# Altium PCB BB.PcbDoc (part 1 of 9) (continued)
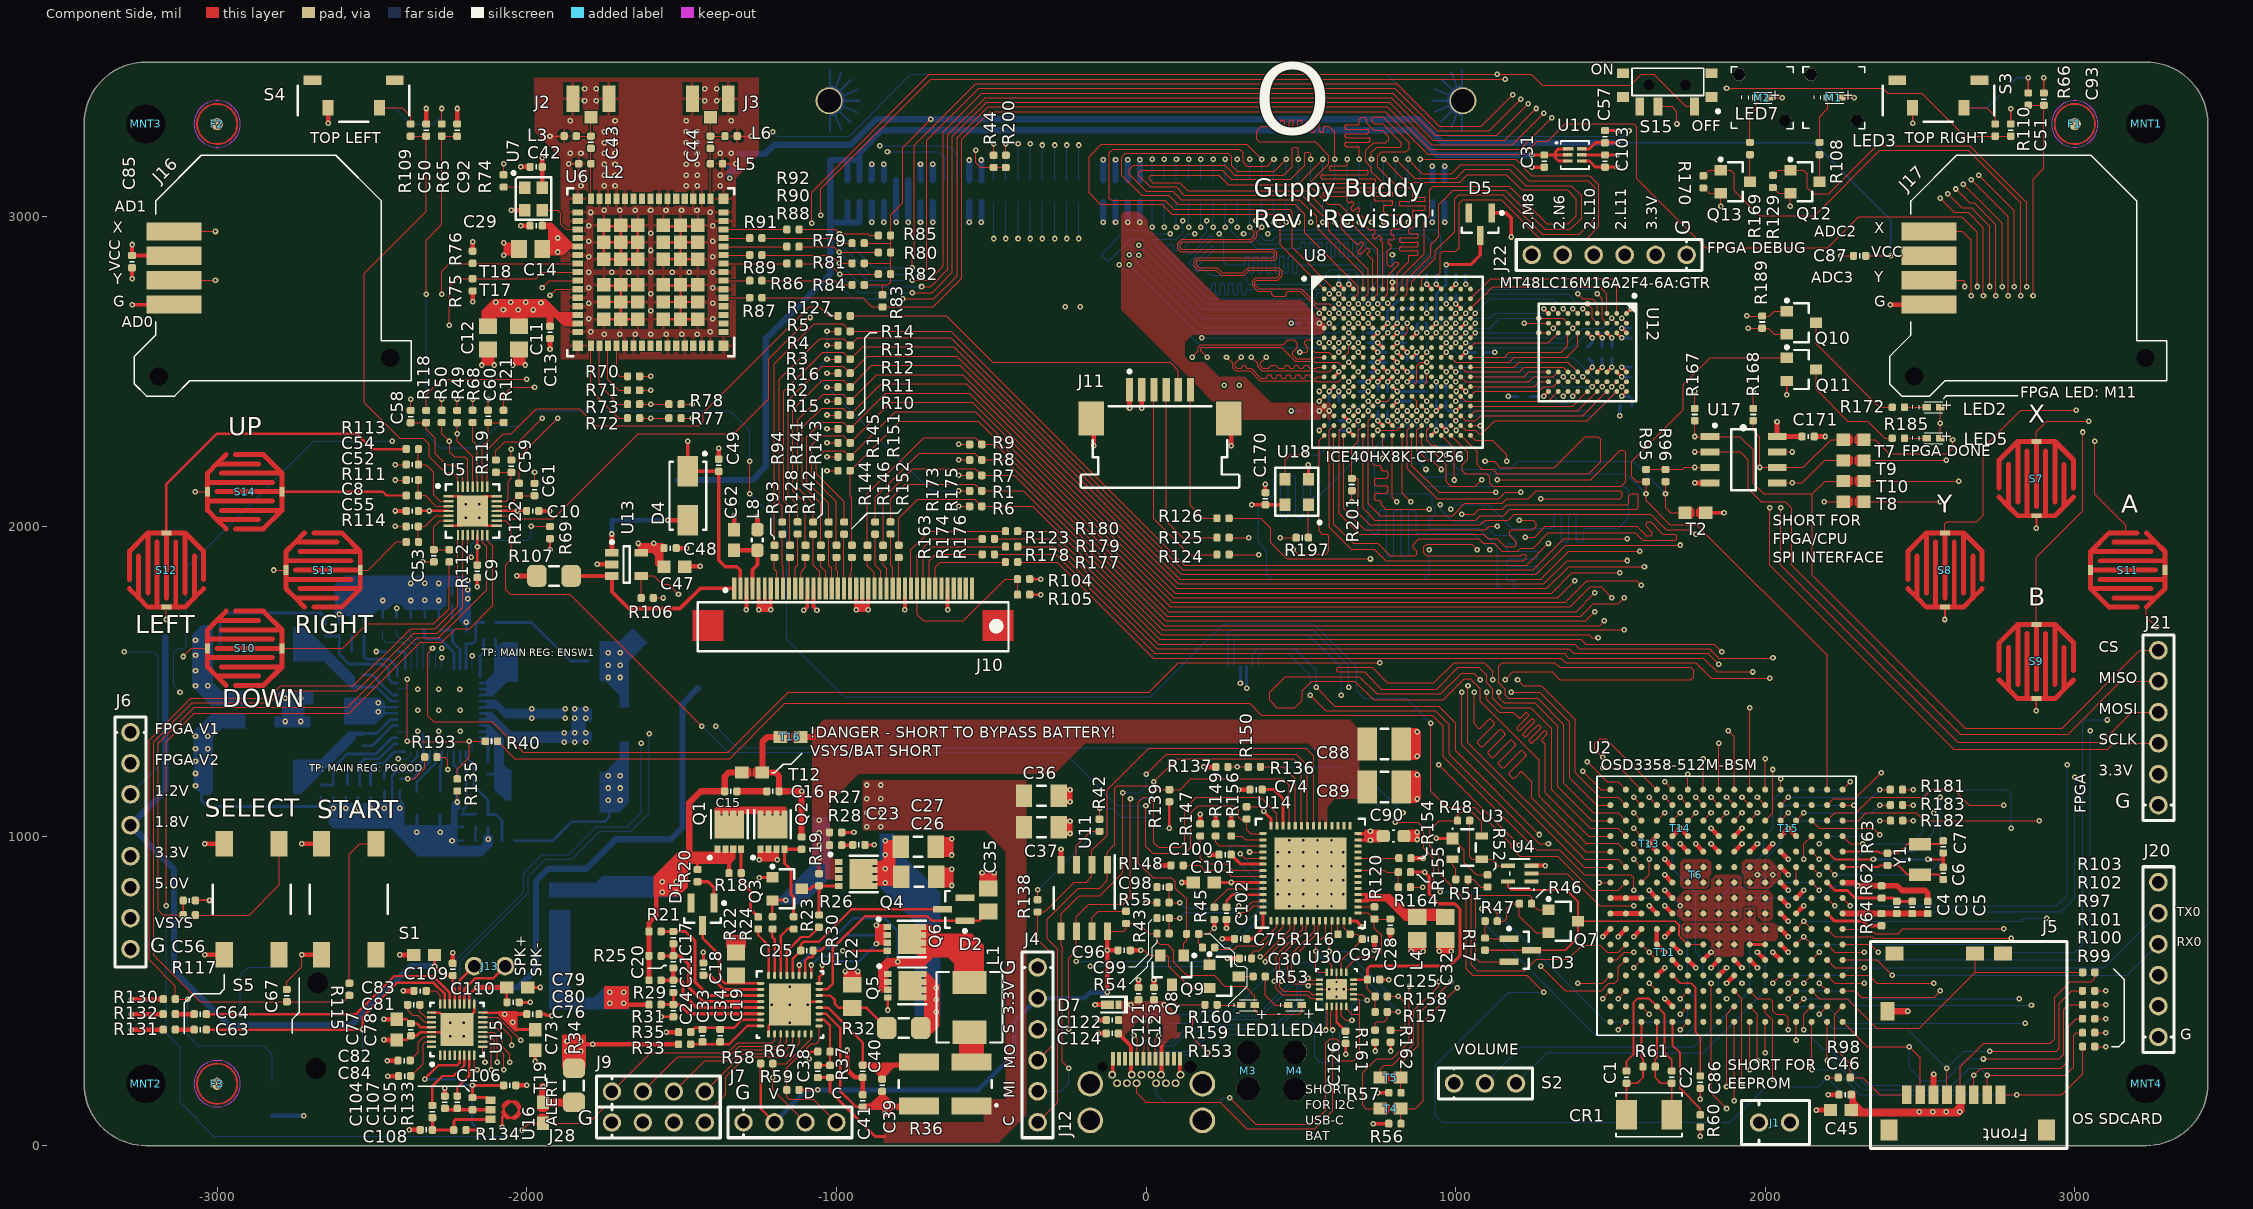
[diagram p0: Component Side view]
## Components (designator, comment, footprint, x,y, rotation, side; value= is the part's Value field where it differs from the comment) (continued)
J4 "J_HDR1X6_THRHOLE_VERT" HDR_1X6 -350,575.63 r270 top
J5 "Micro SD" "MICRO SD" 2935.55,16.89 r180 top locked
J6 "1 X 8 HOLES" "HDR_1X8 - HOLE" -3280,1335 r270 top
J7 "J_HDR1X4_THRHOLE_VERT" HDR_1X4 -1300,75.45 r0 top
J8 "J_FFC_CONN_RA_6PIN" FFC_6PIN 314.96,1574.8 r180 bottom locked
J9 "J_HDR1X4_THRHOLE_VERT" HDR_1X4 -1725,174.78 r0 top
J10 "Flatlink" FPC_40PIN_BOTTOM -946.06,1695.67 r270 top locked
J11 "J_MOLX-0522070660" MOLX-52271-0679 45.24,2395.28 r0 top locked
J12 "J_DX07S024XJ1R1100" DX07S024XJ1R1100 -140.63,254.8 r0 top locked
J13 "2 Holes" 1X2_HOLES -2170,580 r0 top
J14 "J_LIPO_BAT_CONNECTOR" HDR_1X2_LIPO_BATTERY -1569.75,784.82 r90 bottom
J15 "J_LIPO_BAT_CONNECTOR" HDR_1X2_LIPO_BATTERY -1569.75,418.63 r90 bottom
J16 "J_PSP1000" JOYSTICK_PSP1000 -2834.65,2834.65 r0 top locked
J17 "J_PSP1000" JOYSTICK_PSP1000 2834.65,2834.65 r0 top locked
J18 "J_MEC1-150-02-F-D-RA1-SL" MEC1-150-XX-XX-D-RAX-SL 0,3500 r0 bottom locked
J19 "Headphone Jack" HEADPHONE_JACK -2875.79,72.83 r90 bottom locked
J20 "J_HDR1X6_THRHOLE_VERT_FEMALE" "HDR_1X6 - FEMALE" 3270,351 r90 top
J21 "J_HDR_1X6_HOLES" "HDR_1X6 _HOLES" 3270,1100 r90 top
J22 "J_HDR_1X6_HOLES" "HDR_1X6 _HOLES" 1746,2877 r180 top
J28 "J_HDR1X4_THRHOLE_VERT" HDR_1X4 -1725,74.83 r0 top
L1 "L_IHLP2020BZER2R2M11" IHLP-2020BZ -570,447 r90 top
L2 "L_0402_1.3nH" R_0402 -1812.6,3171.44 r0 top
L3 "L_0402_1.3nH" R_0402 -1859.69,3260.81 r0 top
L4 "L_FB_21OHM_100MHZ" C_ERA-0805 875.75,701.36 r90 top
L5 "L_0402_2.2nH" R_0402 -1387.4,3171.44 r180 top
L6 "L_0402_1.8nH" R_0402 -1340.31,3260.81 r180 top
L7 "L_6.8µH_SHLD_4A" IND_TAIYO_NR8040 -1725,2130.77 r270 bottom
L8 "L_BEAD_0603_30OHM_100MHZ" R_0603 -1255,1956.46 r90 top
L10 "L_MPLC0730L4R7" KEM_L9004_MPLC -1915,1565 r180 bottom
L11 "L_MPLC0730L4R7" KEM_L9004_MPLC -1910,1145 r180 bottom
L12 "L_MPLC0730L4R7" KEM_L9004_MPLC -2874,1190 r0 bottom
L13 "L_MPLC0730L4R7" KEM_L9004_MPLC -2874.53,1621.14 r0 bottom
LED1 "LED_GRN_0402" DIOM1005X07L_GREEN 330,454.08 r0 top
LED2 "LED_GRN_0402" DIOM1005X07L_GREEN 2543.35,2385 r0 top
LED3 "LED_GRN_0402" DIOM1005X07L_GREEN 2223.97,3385 r0 top
LED4 "LED_YLW_0402" DIOM1005X07L_YELLOW 481,454.08 r0 top
LED5 "LED_GRN_0402" DIOM1005X07L_GREEN 2543.35,2285 r0 top
LED7 "LED_GRN_0402" DIOM1005X07L_GREEN 1991.97,3385 r0 top
M1 "M_LIGHT_PIPE" SINGLE_LIGHT_PIPE 2222,3385 r0 top locked
M2 "M_LIGHT_PIPE" SINGLE_LIGHT_PIPE 1990,3385 r0 top locked
M3 "RA Light Pipe" RA_LIGHTPIPE 330,300.93 r0 top locked
M4 "RA Light Pipe" RA_LIGHTPIPE 481,300.93 r0 top locked
MNT1 "Mounting Hole" MNT_4-40 3230,3300 r0 top locked
MNT2 "Mounting Hole" MNT_4-40 -3230,200 r0 top locked
MNT3 "Mounting Hole" MNT_4-40 -3230,3300 r0 top locked
MNT4 "Mounting Hole" MNT_4-40 3230,200 r0 top locked
Q1 "N-Channel Nex_FET" "Q_TDSON-8 NexFET" -1345.94,1013.95 r90 top
Q2 "N-Channel Nex_FET" "Q_TDSON-8 NexFET" -1206.18,1013.95 r90 top
Q3 "NFET" SOT-23A -1159.24,829.5 r90 top
Q4 "N-Channel Nex_FET" "Q_TDSON-8 NexFET" -935.71,877.73 r0 top
Q5 "N-Channel Nex_FET" "Q_TDSON-8 NexFET" -778.03,516.5 r0 top
Q6 "N-Channel Nex_FET" "Q_TDSON-8 NexFET" -779.61,668.07 r0 top
Q7 "PNP" SOT-23A 1347.76,724.82 r90 top
Q8 "NFET" SOT-23A 84,567 r0 top
Q9 "NFET" SOT-23A 252.24,546.6 r90 top
Q10 "NFET" SOT-23A 2117,2658 r90 top
Q11 "NFET" SOT-23A 2117,2507 r90 top
Q12 "NFET" SOT-23A 2128.43,3113.6 r90 top
Q13 "NFET" SOT-23A 1903.43,3113.6 r90 top
R1 "R_0402_10.0K" R_0402 -550,2115 r180 top
R2 "R_0402_10.0K" R_0402 -975,2450 r180 top
R3 "R_0402_10.0K" R_0402 -975,2540 r180 top
R4 "R_0402_10.0K" R_0402 -975,2585 r180 top
R5 "R_0402_10.0K" R_0402 -975,2630 r180 top
R6 "R_0402_100K" R_0402 -550,2065 r180 top
R7 "R_0402_100K" R_0402 -550,2165 r180 top
R8 "R_0402_100K" R_0402 -550,2215 r180 top
R9 "R_0402_100K" R_0402 -550,2265 r180 top
R10 "R_0402_100K" R_0402 -975,2180 r180 top
R11 "R_0402_100K" R_0402 -975,2225 r180 top
R12 "R_0402_100K" R_0402 -975,2270 r180 top
R13 "R_0402_100K" R_0402 -975,2315 r180 top
R14 "R_0402_100K" R_0402 -975,2360 r180 top
R15 "R_0402_100K" R_0402 -975,2405 r180 top
R16 "R_0402_100K" R_0402 -975,2495 r180 top
R17 "R_0402_39K" R_0402 1095,650.89 r90 top
R18 "R_0402_10M" R_0402 -1327.24,880.49 r0 top
R19 "R_0402_10M" R_0402 -1112.4,977.14 r270 top
R20 "R_0402_10.0" R_0402 -1448.43,872.21 r270 top
R21 "R_0402_100.0" R_0402 -1585.76,691.71 r0 top
R22 "5.11k Ohms" R_0402 -1252.51,719.37 r270 top
R23 "5.11k Ohms" R_0402 -1138,719.69 r270 top
R24 "R_0402_10.0K" R_0402 -1206,719.69 r270 top
R25 "R_0402_100.0" R_0402 -1585.76,612.97 r0 top
R26 "R_0402_10M" R_0402 -1056,859.03 r270 top
R27 "R_0402_100.0K" R_0402 -1002.44,1011.83 r0 top
R28 "1.0 Ohms" R_0402 -1002.44,970.49 r0 top
R29 "R_0402_100.0" R_0402 -1585.76,534.23 r0 top
R30 "5.11k Ohms" R_0402 -1056,725.32 r90 top
R31 "R_0402_100.0" R_0402 -1585.76,455.49 r0 top
R32 "R_1206_10" R_1206 -782.4,379.96 r0 top
R33 "0.0 Ohms" R_0402 -1490.31,327.54 r0 top
R34 "R_1206_0.005" R_1206 -1847.58,194.84 r270 top
R35 "0.0 Ohms" R_0402 -1490.31,366.91 r0 top
R36 "0.01 OHM" R_LVK25_0.003 -648.5,199.09 r90 top
R37 "R_0402_330K" R_0402 -1020.63,239.68 r90 top
R38 "R_0402_100.0" R_0402 907,2451.77 r270 bottom
R39 "R_0402_100.0" R_0402 886.61,2720.55 r180 bottom
R40 "1.0k Ohms" R_0402 -2114.17,1306.14 r180 top
R41 "R_0402_9.53K" R_0402 -2240,1685 r90 bottom
R42 "3.3k Ohms" R_0402 -150.08,1034.65 r270 top
R43 "3.3k Ohms" R_0402 -64.53,737.44 r90 top
R44 "R_0402_100K" R_0402 -492.13,3179.26 r270 top
R45 "R_0402_15.0K" R_0402 220.63,750.31 r90 top
R46 "R_0402_499.0" R_0402 1225.51,781.54 r180 top
R47 "R_0402_10.0K" R_0402 1115,725 r0 top
R48 "R_0402_10.0K" R_0402 1025.63,1049.82 r0 top
R49 "R_0402_2.2K" R_0402 -2225,2355 r270 top
R50 "R_0402_2.2K" R_0402 -2275,2355.31 r270 top
R51 "1.0k Ohms" R_0402 1020.47,860 r0 top
R52 "R_0402_100K" R_0402 1103,855 r90 top
R53 "1.0k Ohms" R_0402 365.69,546.6 r180 top
R54 "R_0402_100K" R_0402 55.32,685.2 r180 top
R55 "R_0402_100K" R_0402 55.31,785.2 r0 top
R56 "R_0402_2.2K" R_0402 803.78,71.04 r0 top
R57 "R_0402_2.2K" R_0402 803.78,171.04 r0 top
R58 "R_0402_2.2K" R_0402 -1225,265 r0 top
R59 "R_0402_2.2K" R_0402 -1140.31,180 r180 top
R60 "R_0402_10.0K" R_0402 1790.18,80.14 r90 top
R61 "1.0M Ohms" R_0402 1625,255.14 r180 top
R62 "0.0 Ohms" R_0402 2376,819.51 r90 top
R63 "1.0M Ohms" R_0402 2394.68,924.82 r270 top
R64 "0.0 Ohms" R_0402 2375.39,730.02 r90 top
R65 "R_0402_10.0K" R_0402 -2274.69,3280.31 r90 top
R66 "4.7k Ohms" R_0402 2849.67,3380.31 r90 top
R67 "56.2k" R_0402 -1040.32,304 r180 top
R68 "4.7k Ohms" R_0402 -2175,2355.31 r270 top
R69 "4.7k Ohms" R_0402 -1925,1980.31 r90 top
R70 "R_0402_33" R_0402 -1655.31,2485 r180 top
R71 "R_0402_33" R_0402 -1655.31,2440 r180 top
R72 "R_0402_33" R_0402 -1655.31,2350 r180 top
R73 "R_0402_33" R_0402 -1655.31,2395 r180 top
R74 "1.0k Ohms" R_0402 -2075,3116.12 r270 top
R75 "R_0402_100.0K" R_0402 -2175,2780.31 r270 top
R76 "R_0402_100.0K" R_0402 -2175,2869.69 r90 top
R77 "1.0k Ohms" R_0402 -1521.31,2350 r180 top
R78 "1.0k Ohms" R_0402 -1521.31,2395 r180 top
R79 "R_0402_10.0K" R_0402 -929.68,2915 r180 top
R80 "R_0402_10.0K" R_0402 -844.68,2885 r180 top
R81 "R_0402_10.0K" R_0402 -929.68,2850 r180 top
R82 "R_0402_10.0K" R_0402 -844.68,2815 r180 top
R83 "R_0402_10.0K" R_0402 -851,2728.69 r270 top
R84 "R_0402_10.0K" R_0402 -929.68,2780.1 r180 top
R85 "R_0402_10.0K" R_0402 -844.68,2940 r180 top
R86 "R_0402_33" R_0402 -1260.31,2793.88 r180 top
R87 "R_0402_33" R_0402 -1260.31,2738.76 r180 top
R88 "R_0402_33" R_0402 -1140.31,2849 r180 top
R89 "R_0402_33" R_0402 -1260.31,2876.56 r180 top
R90 "R_0402_33" R_0402 -1140.31,2904.11 r180 top
R91 "R_0402_33" R_0402 -1260.31,2931.67 r180 top
R92 "R_0402_33" R_0402 -1140.24,2959.23 r180 top
R93 "R_0402_33" R_0402 -1200,1919.69 r270 top
R94 "R_0402_33" R_0402 -1175,1994.69 r270 top
R95 "4.7k Ohms" R_0402 1614.96,2164.37 r270 top
R96 "4.7k Ohms" R_0402 1677.95,2164.37 r270 top
R97 "R_0402_10.0K" R_0402 3044.69,455.08 r180 top
R98 "R_0402_10.0K" R_0402 2255.31,220 r0 top
R99 "R_0402_10.0K" R_0402 3044.69,319.96 r180 top
R100 "R_0402_10.0K" R_0402 3044.69,365 r180 top
R101 "R_0402_10.0K" R_0402 3044.69,410.04 r180 top
R102 "R_0402_10.0K" R_0402 3044.69,500.12 r180 top
R103 "R_0402_10.0K" R_0402 3045,560 r180 top
R104 "R_0402_10.0K" R_0402 -395.32,1830 r180 top
R105 "R_0402_10.0K" R_0402 -395.32,1780 r0 top
R106 "R_0402_10.0K" R_0402 -1610.83,1769 r0 top
R107 "R_1206_4.99" R_1206 -1912.12,1840.2 r180 top
R108 "1.0k Ohms" R_0402 2175.68,3220.68 r270 top
R109 "R_0402_10.0K" R_0402 -2375,3280.31 r90 top
R110 "4.7k Ohms" R_0402 2743.11,3280.31 r90 top
R111 "4.7k Ohms" R_0402 -2369.68,2100 r180 top
R112 "4.7k Ohms" R_0402 -2250.32,1905.31 r270 top
R113 "4.7k Ohms" R_0402 -2369.68,2250 r180 top
R114 "4.7k Ohms" R_0402 -2369.68,1950 r180 top
R115 "4.7k Ohms" R_0402 -2573,505.06 r90 top
R116 "0.0 Ohms" R_0402 639.53,682.76 r0 top
R117 "4.7k Ohms" R_0402 -3090.14,745 r0 top
R118 "4.7k Ohms" R_0402 -2325,2355 r90 top
R119 "4.7k Ohms" R_0402 -2099.92,2194.68 r90 top
R120 "0.0 Ohms" R_0402 737.95,751.65 r270 top
R121 "4.7k Ohms" R_0402 -2075.06,2355.31 r90 top
R122 "4.7k Ohms" R_0402 -2025.06,2119.69 r90 top
R123 "0.0 Ohms" R_0402 -509.3,1959.73 r180 top
R124 "0.0 Ohms" R_0402 248.82,1909 r180 top
R125 "0.0 Ohms" R_0402 248.82,1963.86 r180 top
R126 "0.0 Ohms" R_0402 248.82,2026.57 r180 top
R127 "0.0 Ohms" R_0402 -975,2680 r0 top
R128 "R_0402_33" R_0402 -1150,1919.69 r270 top
R129 "R_0402_100.0K" R_0402 2025,3114.37 r270 top
R130 "R_0402_10.0K" R_0402 -3154.68,473.33 r0 top
R131 "R_0402_33" R_0402 -3154.69,374.78 r180 top
R132 "R_0402_33" R_0402 -3154.69,424.82 r180 top
R133 "R_0402_2.2K" R_0402 -2175.43,135.69 r270 top
R134 "R_0402_2.2K" R_0402 -2216.31,50.35 r180 top
R135 "R_0402_10.0K" R_0402 -2224.59,1164.96 r90 top
R136 "0.0 Ohms" R_0402 350.28,1223.27 r0 top
R137 "0.0 Ohms" R_0402 244.96,1223.27 r0 top
R138 "3.3k Ohms" R_0402 -350,774.69 r270 top
R139 "3.3k Ohms" R_0402 75.31,1130.31 r90 top
R140 "R_0402_6.49k" R_0402 -2164.51,1050 r90 bottom
R141 "R_0402_33" R_0402 -1125,1995.12 r270 top
R142 "R_0402_33" R_0402 -1100,1919.69 r270 top
R143 "R_0402_33" R_0402 -1075,1994.69 r270 top
R144 "R_0402_33" R_0402 -1050,1919.69 r270 top
R145 "R_0402_33" R_0402 -1025,1994.69 r270 top
R146 "R_0402_33" R_0402 -1000,1919.69 r270 top
R147 "3.3k Ohms" R_0402 175,1019.9 r270 top
R148 "R_0402_100K" R_0402 100.31,905.1 r0 top
R149 "R_0402_10.0K" R_0402 225,1019.9 r270 top
R150 "R_0402_10.0K" R_0402 325,1074.69 r270 top
R151 "R_0402_33" R_0402 -974.92,1994.69 r270 top
R152 "R_0402_33" R_0402 -950,1919.69 r270 top
R153 "1.0k Ohms" R_0402 210,455 r180 top
R154 "1.0M Ohms" R_0402 836.38,928.6 r0 top
R155 "R_0402_10.0K" R_0402 834.68,883.54 r0 top
R156 "R_0402_10.0K" R_0402 275.35,1019.9 r270 top
R157 "1.0M Ohms" R_0402 759.68,432 r0 top
R158 "1.0M Ohms" R_0402 759.68,482 r0 top
R159 "R_0402_100.0K" R_0402 202,640 r180 top
R160 "R_0402_100.0K" R_0402 150.68,684 r0 top
R161 "1.0M Ohms" R_0402 740,353.5 r270 top
R162 "1.0M Ohms" R_0402 790,353.5 r270 top
R163 "R_0402_33" R_0402 -899.55,1919.69 r270 top
R164 "R_0402_10.0K" R_0402 834.68,835 r0 top
R165 "R_0402_118K" R_0402 -2120,1690 r180 bottom
R166 "R_0402_22.0K" R_0402 -2195,1640 r90 bottom
R167 "4.7k Ohms" R_0402 1772.44,2361.22 r270 top
R168 "4.7k Ohms" R_0402 1961.42,2361.22 r270 top
R169 "1.0k Ohms" R_0402 1950.68,3220.68 r270 top
R170 "R_0402_100.0K" R_0402 1800,3112.83 r270 top
R171 "R_0402_69.8K" R_0402 -2060,985 r180 bottom
R172 "1.0k Ohms" R_0402 2430,2385 r180 top
R173 "R_0402_33" R_0402 -875,1994.69 r270 top
R174 "R_0402_33" R_0402 -849.17,1919.69 r270 top
R175 "R_0402_33" R_0402 -825,1995.12 r270 top
R176 "R_0402_33" R_0402 -798.43,1919.69 r270 top
R177 "R_0402_33" R_0402 -434.3,1884.93 r180 top
R178 "R_0402_33" R_0402 -509.3,1909.86 r180 top
R179 "R_0402_33" R_0402 -434.3,1934.8 r180 top
R180 "R_0402_33" R_0402 -434.3,1984.67 r180 top
R181 "4.7k Ohms" R_0402 2423.7,1150 r180 top
R182 "4.7k Ohms" R_0402 2424.33,1050 r180 top
R183 "4.7k Ohms" R_0402 2424.02,1100 r0 top
R184 "R_0402_22.0K" R_0402 -2125,1050 r270 bottom
R185 "1.0k Ohms" R_0402 2430,2285 r180 top
R186 "R_0402_10.2k" R_0402 -2559.53,1216 r0 bottom
R187 "R_0402_36.0K" R_0402 -2664.21,1145.31 r90 bottom
R188 "R_0402_22.0K" R_0402 -2625,1145.31 r270 bottom
R189 "R_0402_100.0K" R_0402 1990,2660 r270 top
R190 "R_0402_10.2k" R_0402 -2545.53,1596.14 r0 bottom
R191 "R_0402_36.0K" R_0402 -2650.53,1666.14 r270 bottom
R192 "R_0402_22.0K" R_0402 -2605.53,1666.46 r90 bottom
R193 "R_0402_10.0K" R_0402 -2309.68,1255 r180 top
R194 "R_0402_442k" R_0402 -2375,1685 r90 bottom
R195 "R_0402_10.0K" R_0402 -2420,1685 r270 bottom
R196 "R_0402_10.0K" R_0402 -2465,1685 r270 bottom
R197 "4.7k Ohms" R_0402 504.72,1963.86 r0 top
R200 "R_0402_100K" R_0402 -452.76,3179.26 r270 top
R201 "4.7k Ohms" R_0402 665,2135.31 r90 top
S1 "S_TACTILE_1571563_2_BUTTON" TACTILE_1571563_2 -2575,795.87 r270 top
S2 "SLIDE POT" HDR_1X3_POT 995,201 r0 top locked
S3 "S_TACTILE_ RA_TL3330AF130QG_BUTTON" TL3330AF130QG 2559.06,3385.83 r180 top locked
S4 "S_TACTILE_ RA_TL3330AF130QG_BUTTON" TL3330AF130QG -2559.06,3385.83 r180 top locked
S5 "S_TACTILE_1571563_2_BUTTON" TACTILE_1571563_2 -2888.58,795.87 r270 top
S6 "S_TACTILE_ RA_TL3330AF130QG_BUTTON" TL3330AF130QG -2559.06,3385.83 r0 bottom
S7 "S_GB_BTN" GB_BUTTON#1 2875.79,2154.53 r270 top
S8 "S_GB_BTN" GB_BUTTON#2 2580.51,1859.25 r270 top
S9 "S_GB_BTN" GB_BUTTON#2 2875.79,1563.98 r270 top
S10 "S_GB_BTN" GB_BUTTON#2 -2910.83,1606.3 r180 top
S11 "S_GB_BTN" GB_BUTTON#3 3171.06,1859.25 r0 top
S12 "S_GB_BTN" GB_BUTTON#2 -3163.78,1859.25 r270 top
S13 "S_GB_BTN" GB_BUTTON#2 -2657.87,1859.25 r180 top
S14 "S_GB_BTN" GB_BUTTON#2 -2910.83,2112.21 r180 top
S15 "Micro Slide Switch" PCM_SMD_SWITCH 1683.65,3425.2 r180 top
S16 "S_TACTILE_ RA_TL3330AF130QG_BUTTON" TL3330AF130QG 2559.06,3385.83 r0 bottom
T1 "TEST_POINT_SMALL" TestPointSmall -2255,1215 r90 bottom
T2 "Place Solder Bridge to Enable" ERA-0603-SOLDER_JUMPER 1774.41,2044.25 r0 top
T3 "TEST_POINT_SMALL" TestPointSmall -2176.26,1582.14 r90 bottom
T4 "Place Solder Bridge to Enable" ERA-0603-SOLDER_JUMPER 790,120 r0 top
T5 "Place Solder Bridge to Enable" ERA-0603-SOLDER_JUMPER 790,220 r0 top
T6 "TEST_POINT_SMALL" TestPointSmall 1775,874.82 r0 top
T7 "Place Solder Bridge to Enable" ERA-0603-SOLDER_JUMPER 2285.54,2280 r180 top
T8 "Place Solder Bridge to Enable" ERA-0603-SOLDER_JUMPER 2285.54,2080 r180 top
T9 "Place Solder Bridge to Enable" ERA-0603-SOLDER_JUMPER 2285.54,2213.33 r180 top
T10 "Place Solder Bridge to Enable" ERA-0603-SOLDER_JUMPER 2285.54,2146.67 r180 top
T11 "TEST_POINT_SMALL" TestPointSmall 1675,624.82 r90 top
T12 "Place Solder Bridge to Enable" ERA-0603-SOLDER_JUMPER -1272.4,1205.49 r180 top
T13 "TEST_POINT_SMALL" TestPointSmall 1625,974.82 r90 top
T14 "TEST_POINT_SMALL" TestPointSmall 1725,1024.82 r90 top
T15 "TEST_POINT_SMALL" TestPointSmall 2075,1024.82 r90 top
T16 "Place Solder Bridge to Enable" ERA-0603-SOLDER_JUMPER -1148.46,1320 r180 top
T17 "TEST_POINT_SMALL" TESTPOINTSMALL -1925,2746.44 r270 top
T18 "TEST_POINT_SMALL" TESTPOINTSMALL -1950,2771.44 r270 top
T19 "Place Solder Bridge to Enable" ERA-0603-SOLDER_JUMPER -1947.4,106.26 r90 top
U1 "U_BQ40Z60RHBR" RHB0032E -1150.08,455.49 r0 top
U2 "U_OSD3358-512M-BSM" OSD335X-BGA-256 1875,774.82 r180 top locked
U3 "U_APX811-26UG-7" SOT190P237X120-4N 1037.44,962.83 r0 top
U4 "U_SN74LVC1G07DCKR" DCK5 1207.2,879 r180 top
U5 "U_SX1503I091TRT" QFN40P400X400X60_HS-29N -2175,2050 r0 top locked
U6 "U_WL1837MODGIMOCT" MOC0100A -1600,2821.44 r180 top locked
U7 "U_ASDK2-32.768KHZ-LR-T3" KC2520B -1978.54,3057.85 r270 top
U8 "ICE40HX8K-CT256" LATC-caBGA-256 811.81,2530.51 r0 top locked
U9 "U_TPS65400RGZR" RGZ0048B -2284.53,1406.14 r180 bottom
U10 "U_TLV7111812DSER" DSE6 1385,3200 r0 top value=Value
U11 "U_W25Q80DVSNIG" "SOIC-8 - TI" -199.53,799.88 r270 top
U12 "MT48LC16M16A2F4-6A:GTR" MICT-B4-54 1425.98,2562.01 r270 top locked
U13 "U_LM3410XMFE" MF05A_N -1677.76,1877.6 r0 top
U14 "PartNumber" RWE0056B 531.26,879.61 r90 top
U15 "U_AK4954AEN" QFN40P400X400X80_HS-33N -2225,374.93 r90 top
U16 "U_MP23AB01DHTR" RHLGA -2050.23,116.16 r90 top
U17 "U_AT25SF041-SSHD-T" SOIC-8 1929.92,2215.55 r0 top
U18 "U_DSC6102CI2A-100.0000" "4-SMD OSC" 487.01,2111.22 r90 top
U30 "U_TPD8S300RUK" RUK0020B 615.32,505 r90 top
Y1 "32.768kHz (Tuning Fork)" FC-135_CRYSTAL 2500,924.49 r90 top

## Footprints (in the part's own frame and the unit in brackets; to place one, negate y for a bottom-side part, rotate by r counter-clockwise, add the part's x,y. Pads: shape width x height; smd on the part's side, far side on the other; paste and mask are expansions set on the pad)
1X2_HOLES [mil]
  round 60 hole 40: 1(0,0) 2(100,0)
"4-SMD OSC" [mm]
  rect 1x0.9 smd: 1(-1.05,-0.95) 2(1.05,-0.95) 3(1.05,0.95) 4(-1.05,0.95)
  silkscreen extent -2.62,-2 2,1.75, body extent -1.55,-1.4 1.55,1.4, height 1.7
C_14-1210 [mm]
  rect 1.6x2.7 smd: 1(-1.4,0) 2(1.4,0)
  silkscreen extent -0.3,-1.25 0.3,1.25, body extent -1.57,-1.25 1.63,1.25, height 2.5
C_0402 [mm] "Capacitor 0402"
  rrect50% 0.6x0.65 smd: 1(-0.5,0) 2(0.5,0)
  silkscreen extent 0,-0.2 0,0.2, body extent -0.5,-0.3 0.5,0.3, height 0.2
C_0603 [mm] "Capacitor 0603"
  rrect50% 1.1x1 smd: 1(-0.85,0) 2(0.85,0)
  silkscreen extent -0.1,-0.48 0.1,0.48, body extent -0.8,-0.4 0.8,0.4, height 0.77
C_ERA-0603 [mm]
  rect 1.1x1 smd: 1(-0.85,0) 2(0.85,0)
  body extent -0.8,-0.4 0.8,0.4, height 0.3
C_ERA-0805 [mm]
  rect 1.3x1.5 smd: 1(-0.95,0) 2(0.95,0)
  body extent -0.94,-0.62 1.06,0.63, height 0.78
CAP-1206 [mm] "Chip Capacitor, 2-Leads, Body 1206, IPC Medium Density"
  rect 1.35x1.85 smd: 1(-1.425,0) 2(1.425,0)
  silkscreen extent -0.35,-0.82 0.35,0.82, body extent -1.7,-0.9 1.7,0.9, height 1.8
CAPC0201 [mm] "Chip Capacitor, Body 0.6x0.3mm, Height 0.33mm, IPC Medium Density"
  rrect50% 0.45x0.4 smd mask+0.064: 1(-0.35,0) 2(0.35,0)
  body extent -0.3,-0.15 0.3,0.15, height 0.29
CRYSTAL_TXC_7A [mil]
  rect 67x94 smd paste+0 mask+0: 1(-73,0) 2(73,0)
  silkscreen extent -107,-71 107,71, body extent 0,0 10,10, height 10
DCK5 [mil]
  rect 46x14 smd paste+0 mask+0: 1(-38,25.59) 2(-38,0) 3(-38,-25.59) 4(38,-25.59) 5(38,25.59)
  silkscreen extent -48,-48 32,54, body extent -28,-42 28,42, height 43
DIOM1005X07L_GREEN [mm] "Molded Diode, 2-Leads, Body 1.0x0.5mm, IPC High Density"
  rect 0.7x0.5 smd: 1(0.55,0) 2(-0.55,0)
  silkscreen extent -1.15,-0.45 0.75,0.45, body extent -0.5,-0.25 0.51,0.25, height 0.45
DIOM1005X07L_YELLOW [mm] "Molded Diode, 2-Leads, Body 1.0x0.5mm, IPC High Density"
  rect 0.7x0.5 smd: 1(0.55,0) 2(-0.55,0)
  silkscreen extent -1.15,-0.45 0.75,0.45, body extent -0.5,-0.25 0.51,0.25, height 0.45
DIOM5226X23L [mm] "Molded Diode, 2-Leads, Body 5.2x2.6mm, IPC High Density"
  rect 2.5x1.7 smd: 1(2,0) 2(-2,0)
  silkscreen extent -3.57,-1.5 2.8,1.53, body extent -2.8,-1.46 2.8,1.46, height 2.3
DSE6 [mm]
  rect 0.85x0.28 smd paste-0.14 mask+0: 1(-0.525,0.5)
  rect 0.75x0.28 smd paste-0.14 mask+0: 2(-0.575,0) 3(-0.575,-0.5) 4(0.575,-0.5) 5(0.575,0) 6(0.575,0.5)
  silkscreen extent -1.58,-1.16 1.16,1.16, body extent 0,0 0.25,0.25, height 0.25
DSN2_0603 [mm]
  rect 0.52x0.7 smd: 1(-0.64,0)
  rect 1.05x0.7 smd: 2(0.275,0)
  silkscreen extent -1.4,-0.75 0.8,0.75, body extent -0.8,-0.4 0.8,0.4, height 0.31
DX07S024XJ1R1100 [mm]
  rect 0.33x1.13 smd: A1(0.85,0.66) A2(1.35,0.66) A3(1.85,0.66) A4(2.35,0.66) A5(2.85,0.66) A6(3.35,0.66) A7(3.85,0.66) A8(4.35,0.66) A9(4.85,0.66) A10(5.35,0.66) A11(5.85,0.66) A12(6.35,0.66)
  round 0.65 hole 0.4: B1(6.4,-0.65) B2(6,-1.35) B3(5.2,-1.35) B4(4.8,-0.65) B5(4.4,-1.35) B6(4,-0.65) B7(3.2,-0.65) B8(2.8,-1.35) B9(2.4,-0.65) B10(2,-1.35) B11(1.2,-1.35) B12(0.8,-0.65)
  round 0 hole 0.8 unplated: M(0,0)
  round 0 hole 1 unplated: M(7.2,0)
  round 2.1 hole 1.6: M1(-1,-1.4) M2(8.2,-1.4) M3(-1,-4.4) M4(8.2,-4.4)
  body extent -1.09,-8.85 8.31,0.91, height 3.42
ERA-0603-SOLDER_JUMPER [mm]
  rect 1.1x1 smd: 1(-0.85,0) 2(0.85,0)
  Component Side region: 0.305,0.483 0.076,0.254 0.076,-0.254 0.305,-0.483
  Component Side region: -0.305,0.483 -0.076,0.254 -0.076,-0.254 -0.305,-0.483
FC-135_CRYSTAL [mm] "FC-135"
  rect 1x1.8 smd: 1(-1.25,0) 2(1.25,0)
  silkscreen extent -0.07,-0.9 0.08,0.9, body extent -1.75,-0.9 1.75,0.9, height 0.9
FFC_6PIN [mm]
  rect 0.3x1.4 smd: 1(-1.25,-0.7) 2(-0.75,-0.7) 3(-0.25,-0.7) 4(0.25,-0.7) 5(0.75,-0.7) 6(1.25,-0.7)
  rect 2.65x2 smd: M1(-3.025,-1.95) M2(3.025,-1.95)
  body extent -4.25,-5.05 4.25,-0.15, height 1.9
"FIDUCIAL ROUND" [mm] "FIDUCIAL ROUND"
  round 1 smd paste+0 mask+1.1: 0(0,0)
  round 1 smd far side paste+0 mask+1.1: 0(0,0)
  Component Side circle w0.152: c0,0 r1.651
  Solder Side circle w0.152: c0,0 r1.651
  Keep-Out Layer circle w0.1: c0,0 r1.905
FPC_40PIN_BOTTOM [mm] "FPC, 40-Leads, Body"
  rect 1.8x0.35 smd mask+0.1: 1(-2.65,-9.75) 7(-2.65,-6.75) 8(-2.65,-6.25) 9(-2.65,-5.75) 10(-2.65,-5.25) 11(-2.65,-4.75) 12(-2.65,-4.25) 13(-2.65,-3.75) 14(-2.65,-3.25) 15(-2.65,-2.75) 16(-2.65,-2.25) 17(-2.65,-1.75) 18(-2.65,-1.25) 19(-2.65,-0.75) 20(-2.65,-0.25) 21(-2.65,0.25) 22(-2.65,0.75) 23(-2.65,1.25) 24(-2.65,1.75) 25(-2.65,2.25) 26(-2.65,2.75) 27(-2.65,3.25) 28(-2.65,3.75) 29(-2.65,4.25) 30(-2.65,4.75) 31(-2.65,5.25) 32(-2.65,5.75) 33(-2.65,6.25) 34(-2.65,6.75) 35(-2.65,7.25) 36(-2.65,7.75) 37(-2.65,8.25) 38(-2.65,8.75) 39(-2.65,9.25) 40(-2.65,9.75)
  rect 1.8x0.32 smd mask+0.1: 2(-2.65,-9.25) 3(-2.65,-8.75) 4(-2.65,-8.25) 5(-2.65,-7.75) 6(-2.65,-7.25)
  Component Side region: -0.85,-10.65 1.65,-10.65 1.65,-13.15 -0.85,-13.15
  Component Side region: -0.85,13.15 1.65,13.15 1.65,10.65 -0.85,10.65
  silkscreen extent -2.62,-12.75 2.5,12.75, body extent -3.1,-12.73 4.05,12.77, height 2
GB_BUTTON#1 [mil]
  rect 16x32 smd: 1(-120,0) 2(120,0)
  Component Side lines w16: 60,-120 90,-90 ; 30,-120 -60,-120 -120,-60 ; -45,-90 90,-90 ; 75,-60 -120,-60 ; -90,-30 120,-30 ; 90,0 -120,0 ; -90,30 120,30 ; 75,60 -120,60 ; -45,90 90,90 ; 60,120 90,90 ; 30,120 -60,120 -120,60 ; 90,-90 120,-60 120,-30 ; -120,-60 -120,-25 -120,0 ; 120,-30 120,0 120,30 ; -120,0 -120,60 ; 120,30 120,60 90,90
  body extent -130,-130 130,130, height 50
GB_BUTTON#2 [mil]
  rect 16x32 smd: 1(-120,0) 2(120,0)
  Component Side lines w16: 60,-120 90,-90 ; 30,-120 -60,-120 -120,-60 ; -45,-90 90,-90 ; 75,-60 -120,-60 ; -90,-30 120,-30 ; 90,0 -120,0 ; -90,30 120,30 ; 75,60 -120,60 ; -45,90 90,90 ; 60,120 90,90 ; 30,120 -60,120 -120,60 ; 90,-90 120,-60 120,-30 ; -120,-60 -120,0 ; 120,-30 120,0 120,30 ; -120,0 -120,60 ; 120,30 120,60 90,90
  body extent -130,-130 130,130, height 50
GB_BUTTON#3 [mil]
  rect 16x32 smd: 1(-120,0) 2(120,0)
  Component Side lines w16: -90,-30 120,-30 ; -90,30 120,30 ; -45,-90 90,-90 ; -45,90 90,90 ; 30,-120 -60,-120 -120,-60 ; 30,120 -6.06,120 -60,120 -120,60 ; 60,-120 90,-90 ; 60,120 90,90 ; 75,-60 -120,-60 ; 75,60 -120,60 ; 90,0 -120,0 ; -120,-60 -120,0 ; -120,0 -120,60 ; 90,-90 120,-60 120,-30 ; 90,90 120,60 120,30 ; 120,-30 120,-0.83 120,0 120,30
  body extent -130,-130 130,130, height 50
HDR_1X2 [mm] "Jumper"
  round 1.5 hole 1.016: 1(0,0) 2(2.54,0)
  silkscreen extent -1.45,-1.8 4.13,1.8, body extent -1.27,-1.27 3.81,1.27, height 8.38
HDR_1X2_LIPO_BATTERY [mm] "POWER CONNECTOR"
  rect 1.1x3.6 smd: 1(1,-7.3) 2(-1,-7.3)
  rect 1.53x3.6 smd: MNT(-3.35,-1.8) MNT(3.35,-1.8)
  silkscreen extent -4.46,-9.43 4.43,0.31, body extent -3.95,-8.7 3.95,-0.1, height 5.63
HDR_1X3_POT [mil] "HEADER"
  round 60 hole 40: 1(0,0) 2(100,0) 3(200,0)
  silkscreen extent -50,-50 254,50, body extent -100,-325 300,50, height 170
HDR_1X4 [mm] "HEADER"
  round 1.5 hole 1.016: 1(0,0) 2(2.54,0) 3(5.08,0) 4(7.62,0)
  silkscreen extent -1.27,-1.27 8.89,1.27, body extent -1.26,-1.22 8.9,1.32, height 8.38
HDR_1X6 [mil] "HEADER"
  round 60 hole 40: 1(0,0) 2(100,0) 3(200,0) 4(300,0) 5(400,0) 6(500,0)
  silkscreen extent -50,-50 550,50, body extent -50,-50 550,50, height 334
"HDR_1X6 - FEMALE" [mil] "HEADER"
  round 60 hole 40: 1(0,0) 2(100,0) 3(200,0) 4(300,0) 5(400,0) 6(500,0)
  silkscreen extent -50,-50 550,50, body extent -56,-48 554,50, height 340
"HDR_1X6 _HOLES" [mil] "HEADER"
  round 60 hole 40: 1(0,0) 2(100,0) 3(200,0) 4(300,0) 5(400,0) 6(500,0)
  silkscreen extent -50,-50 550,50
"HDR_1X8 - HOLE" [mil] "8 Holes"
  round 60 hole 40: 1(0,0) 2(100,0) 3(200,0) 4(300,0) 5(400,0) 6(500,0) 7(600,0) 8(700,0)
  silkscreen extent -50,-50 758,50
HEADPHONE_JACK [mm] "SOT23, 3-Leads, Body 3.0x2.6mm (max), Pitch 0.95mm, IPC Medium Density"
  rect 2.2x2.8 smd: 1(0.6,1.35) 4(3.4,1.35)
  rect 2.8x2.8 smd: 2(12.8,1.35) 5(16.9,5.85)
  rect 2x2.8 smd: 3(5.3,8.8) 6(2.5,8.8)
  round 1 hole 1.7 unplated: ""(4.475,4.935) ""(11.5,5.1)
  silkscreen extent -1.4,0.53 15.45,8.27, body extent -1.72,0.45 17.48,9.45, height 5.2
IHLP-2020BZ [mm] "Vishay Dale recommended land pattern.  Document 34261 rev 12-Sept-13"
  rect 1.915x2.79 smd: 1(-2.038,0) 2(2.037,0)
  silkscreen extent -2.9,-2.7 2.9,2.7, body extent -2.87,-2.72 2.87,2.72, height 2
IND_TAIYO_NR8040 [mil]
  rect 70.5x295 smd: 1(-110.25,0) 2(110.25,0)
  silkscreen extent -178,-167 167,167
JOYSTICK_PSP1000 [mm] "JOYSTICK_ANALOG_MINITHM"
  rect 4.498x1.499 smd: 1(-7.75,3) 2(-7.75,1) 3(-7.75,-1) 4(-7.75,-3)
  round 0 hole 1.5 unplated: M(-8.984,-8.89) M(10,-7.375)
  silkscreen extent -11,-10.5 11.73,9.25, body extent -11.7,-10.23 11.55,9.35, height 8
KC2520B [mm]
  rect 1.05x0.95 smd: 1(-0.925,-0.725) 2(0.925,-0.725) 3(0.925,0.725) 4(-0.925,0.725)
  silkscreen extent -2.25,-1.75 1.73,1.48, body extent -1.25,-1 1.25,1, height 0.7
KEM_L9004_MPLC [mm]
  rect 2x3.5 smd: 1(-2.95,0) 2(2.95,0)
  silkscreen extent -3.85,-3.35 3.85,3.35, body extent -3.85,-3.35 3.85,3.35, height 3
LATC-caBGA-256 [mm] "BGA, 256-Balls, Body 14x14mm, Pitch 0.8mm"
  round 0.4 smd: A1(-6,6) A2(-5.2,6) A3(-4.4,6) A4(-3.6,6) A5(-2.8,6) A6(-2,6) A7(-1.2,6) A8(-0.4,6) A9(0.4,6) A10(1.2,6) A11(2,6) A12(2.8,6) A13(3.6,6) A14(4.4,6) A15(5.2,6) A16(6,6) B1(-6,5.2) B2(-5.2,5.2) B3(-4.4,5.2) B4(-3.6,5.2) B5(-2.8,5.2) B6(-2,5.2) B7(-1.2,5.2) B8(-0.4,5.2) B9(0.4,5.2) B10(1.2,5.2) B11(2,5.2) B12(2.8,5.2) B13(3.6,5.2) B14(4.4,5.2) B15(5.2,5.2) B16(6,5.2) C1(-6,4.4) C2(-5.2,4.4) C3(-4.4,4.4) C4(-3.6,4.4) C5(-2.8,4.4) C6(-2,4.4) C7(-1.2,4.4) C8(-0.4,4.4) C9(0.4,4.4) C10(1.2,4.4) C11(2,4.4) C12(2.8,4.4) C13(3.6,4.4) C14(4.4,4.4) C15(5.2,4.4) C16(6,4.4) D1(-6,3.6) D2(-5.2,3.6) D3(-4.4,3.6) D4(-3.6,3.6) D5(-2.8,3.6) D6(-2,3.6) D7(-1.2,3.6) D8(-0.4,3.6) D9(0.4,3.6) D10(1.2,3.6) D11(2,3.6) D12(2.8,3.6) D13(3.6,3.6) D14(4.4,3.6) D15(5.2,3.6) D16(6,3.6) E1(-6,2.8) E2(-5.2,2.8) E3(-4.4,2.8) E4(-3.6,2.8) E5(-2.8,2.8) E6(-2,2.8) E7(-1.2,2.8) E8(-0.4,2.8) E9(0.4,2.8) E10(1.2,2.8) E11(2,2.8) E12(2.8,2.8) E13(3.6,2.8) E14(4.4,2.8) E15(5.2,2.8) E16(6,2.8) F1(-6,2) F2(-5.2,2) F3(-4.4,2) F4(-3.6,2) F5(-2.8,2) F6(-2,2) F7(-1.2,2) F8(-0.4,2) F9(0.4,2) F10(1.2,2) F11(2,2) F12(2.8,2) F13(3.6,2) F14(4.4,2) F15(5.2,2) F16(6,2) G1(-6,1.2) G2(-5.2,1.2) G3(-4.4,1.2) G4(-3.6,1.2) G5(-2.8,1.2) G6(-2,1.2) G7(-1.2,1.2) G8(-0.4,1.2) G9(0.4,1.2) G10(1.2,1.2) G11(2,1.2) G12(2.8,1.2) G13(3.6,1.2) G14(4.4,1.2) G15(5.2,1.2) G16(6,1.2) H1(-6,0.4) H2(-5.2,0.4) H3(-4.4,0.4) H4(-3.6,0.4) H5(-2.8,0.4) H6(-2,0.4) H7(-1.2,0.4) H8(-0.4,0.4) H9(0.4,0.4) H10(1.2,0.4) H11(2,0.4) H12(2.8,0.4) H13(3.6,0.4) H14(4.4,0.4) H15(5.2,0.4) H16(6,0.4) J1(-6,-0.4) J2(-5.2,-0.4) J3(-4.4,-0.4) J4(-3.6,-0.4) J5(-2.8,-0.4) J6(-2,-0.4) J7(-1.2,-0.4) J8(-0.4,-0.4) J9(0.4,-0.4) J10(1.2,-0.4) J11(2,-0.4) J12(2.8,-0.4) J13(3.6,-0.4) J14(4.4,-0.4) J15(5.2,-0.4) J16(6,-0.4) K1(-6,-1.2) K2(-5.2,-1.2) K3(-4.4,-1.2) K4(-3.6,-1.2) K5(-2.8,-1.2) K6(-2,-1.2) K7(-1.2,-1.2) K8(-0.4,-1.2) K9(0.4,-1.2) K10(1.2,-1.2) K11(2,-1.2) K12(2.8,-1.2) K13(3.6,-1.2) K14(4.4,-1.2) K15(5.2,-1.2) K16(6,-1.2) L1(-6,-2) L2(-5.2,-2) L3(-4.4,-2) L4(-3.6,-2) L5(-2.8,-2) L6(-2,-2) L7(-1.2,-2) L8(-0.4,-2) L9(0.4,-2) L10(1.2,-2) L11(2,-2) L12(2.8,-2) L13(3.6,-2) L14(4.4,-2) L15(5.2,-2) L16(6,-2) M1(-6,-2.8) M2(-5.2,-2.8) M3(-4.4,-2.8) M4(-3.6,-2.8) M5(-2.8,-2.8) M6(-2,-2.8) M7(-1.2,-2.8) M8(-0.4,-2.8) M9(0.4,-2.8) M10(1.2,-2.8) M11(2,-2.8) M12(2.8,-2.8) M13(3.6,-2.8) M14(4.4,-2.8) M15(5.2,-2.8) M16(6,-2.8) N1(-6,-3.6) N2(-5.2,-3.6) N3(-4.4,-3.6) N4(-3.6,-3.6) N5(-2.8,-3.6) N6(-2,-3.6) N7(-1.2,-3.6) N8(-0.4,-3.6) N9(0.4,-3.6) N10(1.2,-3.6) N11(2,-3.6) N12(2.8,-3.6) N13(3.6,-3.6) N14(4.4,-3.6) N15(5.2,-3.6) N16(6,-3.6) P1(-6,-4.4) P2(-5.2,-4.4) P3(-4.4,-4.4) P4(-3.6,-4.4) P5(-2.8,-4.4) P6(-2,-4.4) P7(-1.2,-4.4) P8(-0.4,-4.4) P9(0.4,-4.4) P10(1.2,-4.4) P11(2,-4.4) P12(2.8,-4.4) P13(3.6,-4.4) P14(4.4,-4.4) P15(5.2,-4.4) P16(6,-4.4) R1(-6,-5.2) R2(-5.2,-5.2) R3(-4.4,-5.2) R4(-3.6,-5.2) R5(-2.8,-5.2) R6(-2,-5.2) R7(-1.2,-5.2) R8(-0.4,-5.2) R9(0.4,-5.2) R10(1.2,-5.2) R11(2,-5.2) R12(2.8,-5.2) R13(3.6,-5.2) R14(4.4,-5.2) R15(5.2,-5.2) R16(6,-5.2) T1(-6,-6) T2(-5.2,-6) T3(-4.4,-6) T4(-3.6,-6) T5(-2.8,-6) T6(-2,-6) T7(-1.2,-6) T8(-0.4,-6) T9(0.4,-6) T10(1.2,-6) T11(2,-6) T12(2.8,-6) T13(3.6,-6) T14(4.4,-6) T15(5.2,-6) T16(6,-6)
  silkscreen extent -7.77,-7 7,7, body extent -7,-7 7,7, height 1.7